# KiCad board BB3plus CM5 STM32H7 module.kicad_pcb (continued)
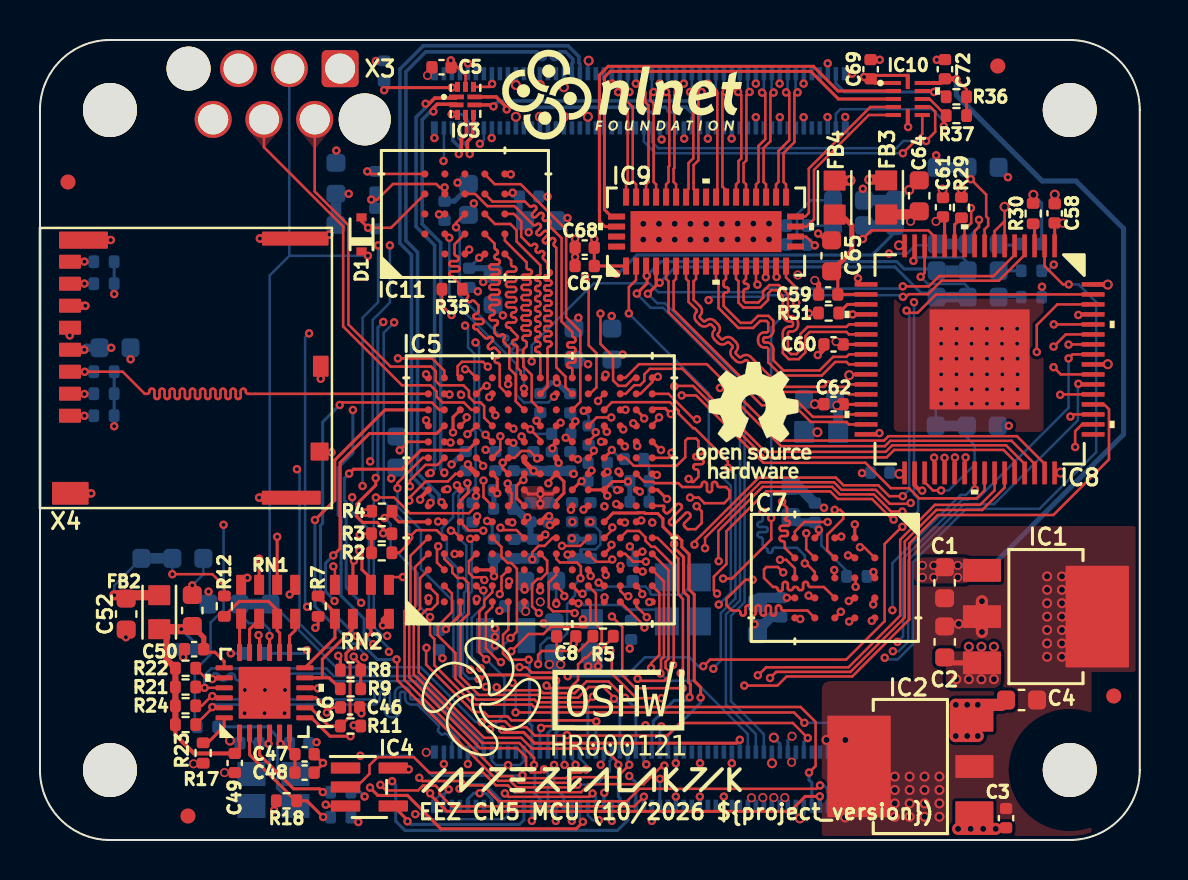
[diagram p0: board, top side]
## Routing (per net, layer and track width the routed paths; a pad name or vN(x,y) marks a point on that pad's centre or on a via; arc(x,y) is an arc through that point) (continued)
XSPIM_P2_IO3: length 15.1
  Top w0.127: IC11.D4 22.63,31.92 24.25,31.92 24.48,31.69 arc(24.55,31.67) 24.62,31.69 24.62,31.7 arc(24.7,31.73) 24.77,31.7 24.8,31.66 arc(24.83,31.59) 24.8,31.52 24.62,31.34 arc(24.59,31.26) 24.62,31.19 24.66,31.16 arc(24.73,31.13) 24.8,31.16 24.98,31.34 arc(25.06,31.37) 25.13,31.34 25.16,31.3 arc(25.19,31.23) 25.16,31.16 25.16,31.16 arc(25.13,31.08) 25.16,31.01 25.2,30.98 arc(25.27,30.95) 25.34,30.98 25.34,30.98 arc(25.41,31.01) 25.49,30.98 25.52,30.94 arc(25.55,30.87) 25.52,30.8 25.52,30.8 arc(25.49,30.72) 25.52,30.65 26.09,30.09 26.09,25.92 26.62,25.39 26.62,25.21 arc(26.64,25.16) 26.7,25.14 arc(26.75,25.11) 26.77,25.06 26.77,24.96 arc(26.75,24.9) 26.7,24.88 26.47,24.88 arc(26.4,24.85) 26.37,24.78 26.37,24.73 arc(26.4,24.66) 26.47,24.63 26.7,24.63 arc(26.75,24.61) 26.77,24.55 26.77,24.45 arc(26.75,24.4) 26.7,24.37 26.47,24.37 arc(26.4,24.34) 26.37,24.27 26.37,24.22 arc(26.4,24.15) 26.47,24.12 26.7,24.12 arc(26.75,24.1) 26.77,24.04 26.77,23.94 arc(26.75,23.89) 26.7,23.87 26.47,23.87 arc(26.4,23.84) 26.37,23.76 26.37,23.71 arc(26.4,23.64) 26.47,23.61 26.52,23.61 arc(26.59,23.58) 26.62,23.51 IC5.K15
XSPIM_P2_IO4: length 14.7
  Top w0.127: IC5.K13 27.02,21.91 27.02,25.43 26.31,26.14 26.31,30.52 24.04,32.79 22.75,32.79 22.25,33.29 IC11.D5
XSPIM_P2_IO5: length 15.1
  Top w0.127: IC11.E3 23.7,31.3 24.06,30.94 24.06,30.17 24.48,29.75 arc(24.55,29.72) 24.63,29.75 24.66,29.78 arc(24.73,29.81) 24.81,29.78 24.84,29.75 arc(24.87,29.68) 24.84,29.6 24.81,29.57 arc(24.78,29.5) 24.81,29.42 24.84,29.39 arc(24.91,29.36) 24.99,29.39 25.02,29.42 arc(25.09,29.45) 25.17,29.42 25.2,29.39 arc(25.23,29.32) 25.2,29.24 25.17,29.21 arc(25.14,29.14) 25.17,29.06 25.38,28.85 25.38,28.59 arc(25.41,28.52) 25.48,28.49 arc(25.55,28.46) 25.58,28.39 25.58,28.34 arc(25.55,28.27) 25.48,28.24 25.3,28.24 arc(25.25,28.22) 25.23,28.16 25.23,28.06 arc(25.25,28.01) 25.3,27.98 25.48,27.98 arc(25.55,27.95) 25.58,27.88 25.58,27.83 arc(25.55,27.76) 25.48,27.73 25.3,27.73 arc(25.25,27.71) 25.23,27.65 25.23,27.55 arc(25.25,27.5) 25.3,27.48 25.48,27.48 arc(25.55,27.45) 25.58,27.37 25.58,27.32 arc(25.55,27.25) 25.48,27.22 25.3,27.22 arc(25.25,27.2) 25.23,27.14 25.23,27.04 arc(25.25,26.99) 25.3,26.97 25.48,26.97 arc(25.55,26.94) 25.58,26.87 25.58,26.82 arc(25.55,26.74) 25.48,26.71 25.3,26.71 arc(25.25,26.69) 25.23,26.64 25.23,26.54 arc(25.25,26.48) 25.3,26.46 25.48,26.46 arc(25.55,26.43) 25.58,26.36 25.58,26.31 arc(25.55,26.24) 25.48,26.21 25.3,26.21 arc(25.25,26.18) 25.23,26.13 25.23,26.03 arc(25.25,25.97) 25.3,25.95 25.48,25.95 arc(25.55,25.92) 25.58,25.85 25.58,25.8 arc(25.55,25.73) 25.48,25.7 25.3,25.7 arc(25.25,25.68) 25.23,25.62 25.23,25.52 arc(25.25,25.47) 25.3,25.44 25.48,25.44 arc(25.55,25.41) 25.58,25.34 25.58,25.29 arc(25.55,25.22) 25.48,25.19 25.3,25.19 arc(25.25,25.17) 25.23,25.11 25.23,25.01 arc(25.25,24.96) 25.3,24.94 25.48,24.94 arc(25.55,24.91) 25.58,24.83 25.58,24.78 arc(25.55,24.71) 25.48,24.68 arc(25.41,24.65) 25.38,24.58 25.38,22.67 IC5.H14
XSPIM_P2_IO6: length 14.8
  Top w0.127: IC5.H13 24.59,21.94 24.59,23.26 24.17,23.68 24.17,24.52 24.34,24.69 24.34,24.86 arc(24.31,24.93) 24.24,24.96 arc(24.17,24.99) 24.14,25.06 24.14,25.11 arc(24.17,25.19) 24.24,25.22 24.44,25.22 arc(24.51,25.25) 24.54,25.32 24.54,25.37 arc(24.51,25.44) 24.44,25.47 24.19,25.47 arc(24.12,25.5) 24.09,25.57 24.09,25.62 arc(24.12,25.69) 24.19,25.72 24.44,25.72 arc(24.51,25.75) 24.54,25.83 24.54,25.88 arc(24.51,25.95) 24.44,25.98 24.19,25.98 arc(24.12,26.01) 24.09,26.08 24.09,26.13 arc(24.12,26.2) 24.19,26.23 24.44,26.23 arc(24.51,26.26) 24.54,26.33 24.54,26.38 arc(24.51,26.46) 24.44,26.49 24.19,26.49 arc(24.12,26.52) 24.09,26.59 24.09,26.64 arc(24.12,26.71) 24.19,26.74 24.44,26.74 arc(24.51,26.77) 24.54,26.84 24.54,26.89 arc(24.51,26.96) 24.44,26.99 24.19,26.99 arc(24.12,27.02) 24.09,27.1 24.09,27.15 arc(24.12,27.22) 24.19,27.25 24.44,27.25 arc(24.51,27.28) 24.54,27.35 24.54,27.4 arc(24.51,27.47) 24.44,27.5 24.19,27.5 arc(24.12,27.53) 24.09,27.6 24.09,27.65 arc(24.12,27.73) 24.19,27.76 24.44,27.76 arc(24.51,27.79) 24.54,27.86 24.54,27.91 arc(24.51,27.98) 24.44,28.01 24.19,28.01 arc(24.12,28.04) 24.09,28.11 24.09,28.16 arc(24.12,28.23) 24.19,28.26 24.49,28.26 arc(24.56,28.29) 24.59,28.37 24.59,28.42 arc(24.56,28.49) 24.49,28.52 24.44,28.52 arc(24.37,28.55) 24.34,28.62 24.34,28.88 23.25,29.97 IC11.E2
XSPIM_P2_IO7: length 11.4
  Top w0.127: IC5.G15 24.04,23.28 24.04,23.43 23.87,23.61 23.87,24.65 arc(23.84,24.72) 23.77,24.75 23.72,24.75 arc(23.65,24.78) 23.62,24.85 23.62,24.9 arc(23.65,24.98) 23.72,25.01 23.77,25.01 arc(23.84,25.04) 23.87,25.11 23.87,25.21 23.56,25.52 arc(23.53,25.59) 23.46,25.62 23.41,25.62 arc(23.34,25.65) 23.31,25.72 23.31,25.77 arc(23.34,25.84) 23.41,25.87 23.71,25.87 arc(23.79,25.9) 23.82,25.98 23.82,26.03 arc(23.79,26.1) 23.71,26.13 23.66,26.13 arc(23.59,26.16) 23.56,26.23 23.56,26.28 arc(23.59,26.35) 23.66,26.38 23.71,26.38 arc(23.79,26.41) 23.82,26.48 23.82,26.53 arc(23.79,26.61) 23.71,26.64 23.41,26.64 arc(23.34,26.67) 23.31,26.74 23.31,26.79 arc(23.34,26.86) 23.41,26.89 23.71,26.89 arc(23.79,26.92) 23.82,26.99 23.82,27.04 arc(23.79,27.11) 23.71,27.14 23.41,27.14 arc(23.34,27.17) 23.31,27.25 23.31,27.3 arc(23.34,27.37) 23.41,27.4 23.71,27.4 arc(23.79,27.43) 23.82,27.5 23.82,27.55 arc(23.79,27.62) 23.71,27.65 23.41,27.65 arc(23.34,27.68) 23.31,27.75 23.31,27.8 arc(23.34,27.88) 23.41,27.91 23.71,27.91 arc(23.79,27.94) 23.82,28.01 23.82,28.06 arc(23.79,28.13) 23.71,28.16 23.41,28.16 arc(23.34,28.19) 23.31,28.26 23.31,28.31 arc(23.34,28.38) 23.41,28.41 23.71,28.41 arc(23.79,28.44) 23.82,28.52 23.82,28.57 arc(23.79,28.64) 23.71,28.67 23.66,28.67 arc(23.59,28.7) 23.56,28.77 23.56,28.99 IC11.E1
~{DIB1_CSA}: length 16
  Top w0.152: v1(21.51,15.06) 21.56,15.11 IC5.D5
  In2signal.Cu w0.152: v1(21.52,8.52) 21.52,7.68 25.26,3.94 25.52,3.94 v1(25.71,3.75)
  Bottom w0.127: v1(21.52,8.52) 21.36,8.67 21.36,11.19 21.46,11.3 21.46,12.3 21.6,12.43 21.6,14.86
  Bottom w0.152: 21.6,14.86 21.6,14.98 21.52,15.06 v1(21.51,15.06) ; X1.31 26.2,2.16 25.71,2.65 v1(25.71,3.75)
~{DIB1_IRQ}: length 14
  Top w0.127: IC5.R2 30.97,12.35 30.97,9.25 30.56,8.84 v1(30.56,8.6) ; v1(30.28,5.73) 30.09,5.54 26.84,5.54 26.69,5.69 25.14,5.69 v1(25.06,5.6)
  Top w0.152: 30.67,8.6 v1(30.56,8.6) ; 30.27,5.74 v1(30.28,5.73)
  In2signal.Cu w0.127: v1(30.56,8.6) 30.31,8.35 30.31,5.76 v1(30.28,5.73)
  Bottom w0.152: v1(25.06,5.6) 25,5.55 25,4.58
~{DIB2_CSA}: length 17.2
  Top w0.127: v1(27.63,2.33) 27.46,2.16 23.42,2.16 v1(23.25,2.33) ; v1(22.32,9.03) 21.97,9.38 21.97,11.42 22.22,11.67 22.22,11.99 22.62,12.39 IC5.E2
  Top w0.152: v1(27.63,2.33) 27.63,2.33 27.56,2.33
  In2signal.Cu w0.152: v1(22.5,5.53) 23,5.03 23,2.58 v1(23.25,2.33)
  Bottom w0.127: X1.39 27.8,2.16 v1(27.63,2.33) ; v1(22.5,5.53) 23.23,6.25 23.23,8.12 v1(22.32,9.03)
  Bottom w0.152: v1(27.63,2.33) 27.63,2.33 27.63,2.25
~{DIB2_IRQ}: length 17.8
  Top w0.127: IC5.A4 18.76,13.65 18.76,11.65 18.46,11.35 18.46,8.14 22.01,4.59 23.87,4.59 24.31,4.15 24.31,3.62 24.55,3.38 25.04,3.38 25.09,3.43
  Top w0.152: v1(25.21,3.54) 25.1,3.43 25.09,3.43
  Bottom w0.152: 25.4,1.5 25.4,3.34 v1(25.21,3.54)
~{DIB3_CSA}: length 25.5
  Top w0.127: v1(17.88,17.59) 17.88,17.85 19.14,19.11 IC5.A10 ; v1(29.25,7.11) 29.22,7.14 29.22,7.14 28.43,7.93 27.33,7.93 26.75,7.35 25.16,7.35 25.02,7.48 22.99,7.48 22.84,7.63 v1(22.84,7.63)
  Bottom w0.127: v1(17.88,17.59) 17.88,16.68 19.05,15.51 19.05,13.55 20.68,11.92 20.68,8.18 21.59,7.27 22.53,7.27 22.85,7.59 22.85,7.62 22.84,7.63 v1(22.84,7.63)
  Bottom w0.152: 29.8,4.58 29.8,6.57 29.26,7.11 v1(29.25,7.11)
~{DIB3_IRQ}: length 16
  Top w0.127: IC5.A3 19.01,13.1 19.01,11.57 18.69,11.25 18.69,8.27 22.11,4.85 23.97,4.85 24.71,4.11 v1(24.71,3.75)
  Bottom w0.152: v1(24.71,3.75) 24.75,3.71 24.75,2.31 25,2.06 25,1.5
~{DIB4_CSA}: length 18.9
  Top w0.127: v1(25.27,15.27) 25.26,15.28 25.2,15.28 IC5.H5
  Top w0.152: v1(31.71,14.81) 31.71,14.62 32.18,14.15 32.18,12.41 32.43,12.17 32.43,8.63 32.43,8.63 32.43,8.31 32.43,8.3 32.43,7.89 32.53,7.79 32.53,7.17 v1(32.49,7.13) ; 25.02,15.17 25.02,15.16 ; 25.02,15.11 IC5.H5
  In2signal.Cu w0.127: v1(31.71,14.81) 31.7,14.79 30.19,14.79 29.83,15.15 28.5,15.15 28.12,15.53 26.14,15.53 25.88,15.27 v1(25.27,15.27)
  Bottom w0.152: v1(32.49,7.13) 32.34,6.99 31.72,6.99 30.67,5.94 30.67,5.51 30.6,5.44 30.6,4.58
~{DIB4_IRQ}: length 18.2
  Top w0.127: IC5.B4 20.22,14.06 20.62,13.66 20.62,13.37 20.89,13.1 21.17,13.1 21.42,12.85 21.42,11.3 21.03,10.91 21.03,8.17 21.95,7.25 24.89,7.25 25.03,7.11 26.91,7.11 27.45,7.65 28.18,7.65 28.71,7.12
  Top w0.152: 28.71,7.12 v1(28.71,7.06)
  Bottom w0.152: 29,4.58 29,6.76 v1(28.71,7.06)
~{DIB5_CSA}: length 15.9
  Top w0.127: 23.14,8.98 22.9,8.98 22.3,9.58 22.3,11.34 22.62,11.66 IC5.E1
  Top w0.152: 23.14,8.98 23.14,8.98 v1(23.05,8.89)
  In2signal.Cu w0.127: v1(23.05,8.89) 23.17,8.89 24.21,7.85 24.21,5.8 25.45,4.56 28.12,4.56 28.49,4.19 28.49,3.51 28.68,3.32 29.35,3.32 v1(29.47,3.2)
  Bottom w0.152: 29.8,1.5 29.8,2.87 v1(29.47,3.2)
~{DIB5_IRQ}: length 35.1
  Top w0.127: 21.82,16.71 21.45,16.34 18.5,16.34 17.71,17.13 v1(16.8,17.13)
  Top w0.152: 21.82,16.71 IC5.D7
  In2signal.Cu w0.127: v1(17.61,2.94) 17.09,3.46 17.09,9.24 17.04,9.29 17.04,9.94 17.3,10.21 v1(17.36,10.21)
  Bottom w0.127: v1(16.8,17.13) 16.69,17.02 16.69,10.66 17.1,10.25 17.32,10.25
  Bottom w0.152: 29.4,1.5 29.4,1 28.88,0.48 18.25,0.48 17.79,0.94 17.79,2.76 v1(17.61,2.94) ; v1(17.36,10.21) 17.32,10.25
~{ETH_LINK100}: length 8.4
  In2signal.Cu w0.127: v1(15.92,0.9) 16.33,1.31 18.75,1.31 v1(18.77,1.29) 18.77,1.3 18.77,1.32 18.75,1.34
  Bottom w0.127: X1.17 23.4,1.23 23.21,1.04 19.41,1.04 19.14,1.31 18.78,1.31 v1(18.77,1.29)
~{ETH_LINK_ACT}: length 9
  In2signal.Cu w0.152: v1(16.23,2.17) 16.62,1.79 20.38,1.79 20.98,2.39 v1(20.98,2.56)
  Bottom w0.152: R20.2 16.02,2.39 v1(16.23,2.17) ; v1(20.98,2.56) 21.19,2.77 22.26,2.77 23,2.03 23,1.5
~{ETH_RESET}: length 14.9
  Top w0.127: v1(21.84,12.05) 21.82,12.03 IC5.D1
  In2signal.Cu w0.127: v1(21.84,12.05) 21.42,12.47 17.85,12.47 17.25,13.07 11.2,13.07 10.55,12.42 v1(8.43,12.42)
  Bottom w0.127: v1(8.43,12.42) 8.42,12.41 8.42,11.76
~{LED_ACT}: length 7.6
  Top w0.152: v1(18.38,0.93) 18.38,0.99 IC4.4 17.68,1.71
  Bottom w0.152: v1(18.38,0.93) 18.53,0.78 23.98,0.78 24.2,1 24.2,1.5
~{LED_PWR}: length 46.7
  Top w0.152: v1(19.51,2.34) 19.51,2.27 20.35,1.43 37.52,1.43 38.27,2.18 v1(39,2.18) ; IC5.D11 21.4,19.49 19.05,19.49 18.1,18.54 15.68,18.54 v1(15.46,18.32)
  In2signal.Cu w0.152: v1(16.06,11.86) 16.3,11.86 16.3,11.86 17.37,11.86 18.09,11.14 18.37,11.14 19.72,9.78 19.72,2.55 v1(19.51,2.34)
  Bottom w0.152: v1(15.46,18.32) 15.22,18.08 15.22,16.98 15.31,16.89 15.31,12.61 v1(16.06,11.86) ; v1(39,2.18) X1.95
~{RESET_OUT}: length 106.9
  Top w0.127: R5.1 27.65,10.15 26.95,9.45 25.84,9.45 ; v1(22.08,5.89) 22.13,5.94 23.26,5.94 23.56,5.64 24.33,5.64 24.75,5.22 31.37,5.22 32,5.85 37.65,5.85 v1(38.4,5.1) ; IC5.J4 25.82,14.06 26,13.88 26.85,13.88 27.05,13.68 27.05,13.11 v1(27.03,13.09) ; 25.83,10.18 C8.1 25.84,9.45 ; 25.84,9.45 25.1,9.45 24.91,9.26 v1(24.91,8.79)
  In2signal.Cu w0.127: v1(24.91,8.79) 24.91,6.88 26.35,5.44 v1(26.35,5.24)
  In2signal.Cu w0.152: v1(28.82,28.31) 28.82,28.22 28.37,27.77 26.63,27.77 25.78,28.62 16.99,28.62 v1(16.4,29.21)
  Bottom w0.127: v1(22.08,5.89) 22.06,5.91 21.78,5.91 19.04,8.64 14.8,8.64 11.68,11.76 11.11,11.76 ; v1(24.91,8.79) 25.03,8.91 25.03,9.75 25.38,10.1 26.12,10.1 26.36,10.33 26.36,10.33 26.36,11.8 26.59,12.02 26.59,12.06 26.76,12.23 26.76,12.8 27.03,13.07 v1(27.03,13.09) ; 11.49,11.95 11.49,28.23 12.47,29.21 ; 12.47,29.21 v1(16.4,29.21) ; 12.47,29.21 X3.3
  Bottom w0.152: 42.76,30.71 42.76,30.39 41.62,29.25 29.85,29.25 28.91,28.31 v1(28.82,28.31) ; 38.2,4.58 38.2,4.9 v1(38.4,5.1)
~{SD_DETECT}: length 9.6
  Top w0.127: IC5.D10 22.16,18.77 v1(22.16,18.7) ; X4.SW1 14.54,19.42 v1(14.58,19.38)
  In2signal.Cu w0.127: v1(14.58,19.38) 15.29,20.09 19.66,20.09 20.3,19.45 20.93,19.45 21,19.38 21.45,19.38 22.13,18.7 v1(22.16,18.7)
~{SYSMCU_CS}: length 8.6
  Top w0.127: v1(24.44,9.02) 23.46,9.02 23.15,9.32 23.15,10.26 23.42,10.52 IC5.F1
  Bottom w0.152: v1(24.44,9.02) 24.48,8.97 24.48,5.83 24.6,5.71 24.6,4.58
~{SYSMCU_IRQ}: length 19.3
  Top w0.127: IC5.A2 19.88,12.25 19.88,11.83 19.58,11.53 19.34,11.53 18.94,11.13 18.94,8.38 22.21,5.11 24.07,5.11 24.61,4.57 28.22,4.57 28.92,3.87
  Top w0.152: 28.92,3.87 v1(28.92,3.75)
  Bottom w0.152: 29,1.5 29,2.1 28.92,2.17 28.92,3.75 v1(28.92,3.75)
~{TFT_IRQ}: length 16.1
  Top w0.127: v1(29.89,8.06) 29.99,7.96 31.22,7.96 31.43,8.17 31.43,8.46 31.28,8.6 31.28,8.92 31.43,9.06 31.43,13.5 IC5.R4
  In2signal.Cu w0.152: v1(28.22,2.36) 28.41,2.55 29.38,2.55 29.89,3.05 v1(29.89,8.06)
  Bottom w0.152: 28.2,1.5 28.2,2.14 28.22,2.16 v1(28.22,2.36)
~{XSPI_M_P1_CS}: length 16.9
  Top w0.152: IC7.A3 41.68,13.17 v1(41.68,13.4) ; IC5.R13 30.69,21.58 31.27,21.58 v1(31.55,21.3)
  In2signal.Cu w0.127: v1(31.55,21.3) 31.64,21.21 32.46,21.21 33.01,21.76 33.73,21.76 33.88,21.61 36.34,21.61 37.75,20.2 37.75,19.82 41.15,16.42 41.15,15.17 41.68,14.64 v1(41.68,13.4)
~{XSPIM_P2_CS1}: length 13.5
  Top w0.127: IC11.C2 20.73,29.78 20.73,29.3 arc(20.76,29.23) 20.83,29.2 arc(20.9,29.17) 20.93,29.1 20.93,29.05 arc(20.9,28.97) 20.83,28.94 20.58,28.94 arc(20.51,28.91) 20.48,28.84 20.48,28.79 arc(20.51,28.72) 20.58,28.69 20.88,28.69 arc(20.95,28.66) 20.98,28.59 20.98,28.54 arc(20.95,28.47) 20.88,28.44 20.58,28.44 arc(20.51,28.41) 20.48,28.33 20.48,28.28 arc(20.51,28.21) 20.58,28.18 20.63,28.18 arc(20.7,28.15) 20.73,28.08 20.73,28.06 21.13,27.66 R35.1 21.39,27.27 arc(21.42,27.2) 21.39,27.13 21.36,27.09 arc(21.33,27.02) 21.36,26.95 21.39,26.91 arc(21.46,26.88) 21.54,26.91 21.57,26.95 arc(21.64,26.98) 21.72,26.95 21.93,26.74 21.93,26.41 arc(21.9,26.33) 21.83,26.3 21.78,26.3 arc(21.71,26.27) 21.68,26.2 21.68,26.15 arc(21.71,26.08) 21.78,26.05 22.08,26.05 arc(22.15,26.02) 22.18,25.95 22.18,25.9 arc(22.15,25.83) 22.08,25.8 21.78,25.8 arc(21.71,25.77) 21.68,25.69 21.68,25.64 arc(21.71,25.57) 21.78,25.54 21.83,25.54 arc(21.9,25.51) 21.93,25.44 22.27,25.1 arc(22.34,25.07) 22.42,25.1 22.45,25.13 arc(22.52,25.16) 22.59,25.13 22.63,25.1 arc(22.66,25.03) 22.63,24.95 22.42,24.74 arc(22.39,24.67) 22.42,24.6 22.45,24.56 arc(22.52,24.53) 22.59,24.56 22.63,24.6 arc(22.7,24.63) 22.77,24.6 22.99,24.38 22.99,24.21 arc(22.96,24.14) 22.89,24.11 22.84,24.11 arc(22.77,24.08) 22.74,24 22.74,23.95 arc(22.77,23.88) 22.84,23.85 22.89,23.85 arc(22.96,23.82) 22.99,23.75 22.99,22.67 23.35,22.31 IC5.F14 23.41,22.31
Net-(IC5C-VREFM): length 1.2
  Top w0.127: v1(26.38,14.27) 26.38,14.3 26.39,14.31 IC5.K4
  Bottom w0.508: 27.52,14.08 26.6,14.08
Net-(IC5C-VSSA): length 3.1
  Top w0.127: v1(24.62,14.03) 24.62,14.39 24.93,14.7 25.23,14.7 25.64,15.11 IC5.J5
  Bottom w0.127: 23.72,14.08 C32.2
  Bottom w0.203: NT1.2 23.72,14.08
  Bottom w0.508: C29.2 23.74,14.08
Net-(IC6-CRS_DV/MODE2): length 6.3
  Top w0.152: R9.1 14.47,8.11 IC6.11 13.99,8.11 ; RN2.6 15.65,10.57 14.12,9.04 14.12,8.11
Net-(IC6-LED1/NINT/NPME/REGOFF): length 5
  Top w0.152: v1(14.15,2.4) 13.98,2.56 12.68,2.56 10.98,4.26 IC6.3
  In2signal.Cu w0.152: v1(14.15,2.4) 14.13,2.38
Net-(IC6-LED2/NINT/NPME/NINTSEL): length 6.4
  Top w0.152: v1(14.16,1.15) 13.35,1.96 R18.1 12.79,1.96 10.48,4.27 IC6.2
  Bottom w0.152: R25.1 14.17,1.14 v1(14.16,1.15)
Net-(IC6-MDC): length 2.1
  Top w0.152: IC6.13 12.48,10.2 12.76,10.48 12.76,11.37
Net-(IC6-MDIO): length 4.6
  Top w0.152: R7.1 13.92,12.2 14.75,11.37 RN2.5 14.75,10.11 IC6.12
Net-(IC6-NINT/REFCLKO): length 5.3
  Top w0.152: R12.1 9.22,11.19 9.96,11.93 11.43,11.93 11.86,11.5 11.86,10.47 11.99,10.34 11.99,9.39 IC6.14
Net-(IC6-NRST): length 3.4
  Top w0.127: 11.48,10.07 v1(11.48,10.2)
  Top w0.152: IC6.15 11.48,10.07
  Bottom w0.127: 9.97,11.76 9.97,11.32 10.45,10.84 11.16,10.84 11.48,10.52 v1(11.48,10.2)
Net-(IC6-RBIAS): length 1.8
  Top w0.152: R17.1 8.39,4.86 9.21,5.68 IC6.24
Net-(IC6-RXD0/MODE0): length 8.7
  Top w0.152: IC6.8 13.53,6.61 14.05,6.09 14.05,6.09 14.44,5.7 R11.1 15.51,6.19 15.51,8.8 15.3,9 15.3,9.33 15.53,9.56 15.73,9.56 16.55,10.37 16.55,11.37
Net-(IC6-RXD1/MODE1): length 11.4
  Top w0.152: 17.45,11.37 17.12,11.04 17.12,10.76 v1(17.15,10.73) ; IC6.7 13.58,6.11 14.5,5.19 v1(15.53,5.19) 15.46,5.12 ; v1(14.92,9.21) 15.02,9.11 R8.2
  In2signal.Cu w0.152: v1(17.15,10.73) 16.91,10.73 15.99,9.81 15.52,9.81 v1(14.92,9.21) 15.14,8.99 15.14,5.61 15.53,5.22 v1(15.53,5.19)
Net-(IC6-TXD0): length 2.2
  Top w0.152: 10.96,11.37 10.96,11.02 10.48,10.54 IC6.17
Net-(IC6-TXD1): length 2
  Top w0.152: IC6.18 9.98,11.29 10.06,11.37
Net-(IC6-VDDCR): length 2.1
  Top w0.152: IC6.6 12.48,4.56 C47.1 C48.2
Net-(IC6-XTAL1/CLKIN): length 8.6
  Top w0.152: IC6.5 11.98,4.86 v1(12.03,4.81)
  Bottom w0.152: 11.87,4.65 11.87,2.6 Y2.3 ; 11.87,4.65 12.11,4.89 12.68,4.89 12.68,5.03 ; 11.87,4.65 11.87,5.16 11.37,5.66 JP3.2
Net-(IC6-XTAL2): length 3.7
  Top w0.152: IC6.4 11.48,4.86 v1(11.43,4.81)
  Bottom w0.152: 10.68,4.89 10.76,4.81 v1(11.43,4.81) 11.47,4.77 11.47,3.37 11.4,3.3 Y2.1
Net-(IC8-BSEL/SCL): length 4.1
  Top w0.127: v1(43.68,28.96) 43.74,29.02 IC8.15
  Bottom w0.127: 46.39,28.46 46.39,28.87 46.13,29.13 43.85,29.13 v1(43.68,28.96)
Net-(IC8-CTL1/A1/DK1): length 4.4
  Top w0.127: v1(46.55,33.04) 47.32,32.27 47.32,31.18 47.42,31.08 47.42,30.71 47.24,30.53 IC8.8
  Bottom w0.127: 46.38,33.64 46.38,33.21 v1(46.55,33.04)
Net-(IC8-DKEN): length 5.8
  Top w0.127: IC8.35 44.24,17.9 44.66,17.48 v1(45.07,17.48)
  Bottom w0.127: v1(45.07,17.48) 45.45,17.48 46.74,18.77 46.74,19.74 46.42,20.06 46.42,20.07 46.35,20.14 JP9.COM
Net-(IC8-DSEL/SDA): length 5.2
  Top w0.127: v1(44.04,28.16) 44.24,28.36 IC8.14
  Top w0.152: IC8.14 44.24,29.25
  Bottom w0.127: 46.39,27.18 46.39,27.66 46.24,27.81 44.39,27.81 v1(44.04,28.16) 44.04,28.09
Net-(IC8-EDGE/HTPLG): length 2.9
  Top w0.127: v1(46.96,31.01) 46.96,30.66 46.74,30.44 IC8.9
  Bottom w0.127: 46.38,29.74 46.38,30.08 46.96,30.66 v1(46.96,31.01)
Net-(IC8-ISEL/~{RST}): length 5
  Top w0.127: IC8.13 44.74,30.16 44.42,30.48 41.58,30.48 v1(41.15,30.05)
  Bottom w0.127: 41.21,30.71 41.15,30.65 v1(41.15,30.05)
Net-(IC8-MSEN/PO1): length 1.5
  Top w0.152: R29.2 45.74,30.77 IC8.11
Net-(IC8-TFADJ): length 1.6
  Top w0.152: IC8.19 40.38,26.78 R31.1 39.96,26.34
Net-(IC8-VREF): length 1.1
  Top w0.152: 49.82,30.8 49.74,30.72 IC8.3
Net-(IC8-~{PD}): length 8.4
  Top w0.127: v1(46.56,31.6) 46.57,31.58 46.57,30.85 46.24,30.52 IC8.10
  In2signal.Cu w0.127: v1(41.15,32.56) 41.85,31.86 46.29,31.86 v1(46.56,31.6)
  Bottom w0.127: JP8.COM 41.21,32.5 v1(41.15,32.56)
Net-(IC9-HPD_A): length 1.5
  Top w0.127: v1(38.75,29.73) 38.31,30.17 IC9.19
  Bottom w0.127: v1(38.75,29.73) 38.7,29.78 R33.1
Net-(IC10-A1): length 23.8
  Top w0.152: IC9.40 28.26,30.67 27.98,30.95 27.98,31.41 27.98,31.42 27.98,38.24 28.41,38.68 38.68,38.68 39.91,37.45 42.78,37.45
Net-(IC10-A2): length 22.6
  Top w0.152: IC9.39 28.58,31.17 28.23,31.52 28.23,38.14 28.52,38.43 38.55,38.43 39.93,37.05 42.78,37.05
Net-(IC10-A3): length 8.5
  Top w0.127: IC9.21 38.27,31.17 38.45,31.35 38.45,33.57 41.53,36.65 IC10.4
Net-(IC10-A4): length 8.8
  Top w0.127: IC9.20 38.34,30.67 38.71,31.04 38.71,33.51 41.45,36.25 42.78,36.25
Net-(IC11-~{ECS}): length 3.4
  Top w0.127: v1(16.37,33.43) 16.5,33.3 IC11.A5
  Bottom w0.127: v1(16.37,33.43) R38.1
Net-(JP1-PadCOM): length 10.6
  In2signal.Cu w0.152: v1(15.44,32.31) 15.8,32.67 17.37,32.67 18.18,33.48 18.18,38.01 17.24,38.95 v1(16.8,38.95)
  Bottom w0.152: v1(15.44,32.31) JP1.COM ; R1.1 16.81,38.96 v1(16.8,38.95)
Net-(JP4-PadCOM): length 4.2
  Top w0.127: R12.2 9.22,12.69 8.62,13.29 v1(6.62,13.29)
  Bottom w0.127: JP4.COM v1(6.62,13.29) ; 6.13,14.1 6.11,14.12
Net-(JP5-PadNO): length 1.3
  Bottom w0.127: R26.1 39.65,30.72 39.66,30.71
Net-(JP6-PadNO): length 1.1
  Bottom w0.152: R27.1 47.94,28.46
Net-(JP7-PadNO): length 1.1
  Bottom w0.152: 49.07,27.18 47.94,27.18
Net-(JP11-PadNO): length 1.1
  Bottom w0.152: 47.93,29.74 49.07,29.74

## Copper pours and planes (outline as drawn; the poured copper is in the pictures)
+1V8 on POWER.Cu: 20.2,28.5 22.4,28.5 22.4,29.8 20.7,29.8 20.7,33.3 23.3,33.3 23.3,31.5 24.9,31.5 24.9,25.8 34.8,25.8 34.8,15.9 39.3,15.9 39.3,15.1 34.8,15.1 34.8,12.4 37.7,12.4 37.7,11.4 34.8,11.4 34.8,9.8 40.2,9.8 40.2,7.2 47.1,7.2 47.1,4.8 38.3,4.8 38.3,3.6 37.1,3.6 37.1,8.5 32.5,8.5 32.5,18.3 30.4,18.3 30.4,16.7 28.2,16.7 28.2,19.1 27.5,19.1 27.5,20 28,20 28,21.3 26.9,21.3 26.9,20.5 25.9,20.5 25.9,19.4 24.6,19.4 24.6,22.1 25.9,22.1 25.9,23.7 20.2,23.7
+3V3 on Top: 48.07,9.43 48.07,7.6 45.3,7.6 45.3,9.43
+3V3 on In2signal.Cu: 48.4,8.63 48.4,0.2 45.53,0.2 45.53,8.63
+3V3 on POWER.Cu: -0.3,40.22 55.5,40.22 55.5,-0.28 -0.3,-0.38
+5V on Top: 43.69,12.83 43.69,14.13 46.6,14.13 46.6,12.83
+5V on Bottom: 35.3,1.1 35.3,2.4 37.54,2.4 37.54,1.09
+5V on In2signal.Cu: 35.2,2.6 35.2,1.2 40.1,1.2 45.2,6.3 45.2,12.8 46.2,12.8 46.2,14.1 43.5,14.1 43.5,7 39.1,2.6
/DVID converter, NOR Flash/DVDD on POWER.Cu: 41.5,31.4 51.5,31.4 51.5,29.7 43,29.7 43,18.8 43.4,18.8 43.4,17.9 41.5,17.9
/STM32H7 MCU/VDD_SDC on POWER.Cu: 26,20.4 26.7,20.4 26.7,18.2 26,18.2 26,17.3 27.3,17.3 27.3,16.3 24.1,16.3 24.1,14.3 24.7,14.3 24.7,12 23.8,12 23.8,9.3 21.5,9.3 21.5,12.4 20.7,12.4 20.7,17.5 23.4,17.5 23.4,20.1 24.1,20.1 24.1,19 26,19
/STM32H7 MCU/VDDSMPS on POWER.Cu: 27.9,11.5 27.9,10.2 24.7,10.2 24.7,12.3 26.1,12.3 26.1,11.5
GND on Top: 24,17.7 26,17.7 26,16.5 24,16.5
GND on Top: 42.7,27.3 50.2,27.3 50.2,20.4 42.7,20.4
GND on Top: 55.2,8.4 52.6,8.4 52.6,-0.5 39.1,-0.5 39.1,7.94 43.68,7.94 43.68,15.7 55.2,15.7
GND on GND1.Cu, GND2.Cu: -0.2,40.2 55.4,40.2 55.4,-0.3 -0.2,-0.4
/DVID converter, NOR Flash/TVDD on POWER.Cu: 39.4,25.9 38.1,25.9 38.1,26.6 41.3,26.6 41.3,19.73 39.4,19.73
/STM32H7 MCU/VLXSMPS on Bottom: 23.8,9.3 23.8,12 25,12 25,9.3

Small or netless copper shapes (teardrops, artwork), in the pictures only: 2 on Top, 1 on Bottom

## Text on the board
B.Silkscreen: 101 | 100 | 200 | 1 | https://github.com/eez-open/eez-bb3plus-cm5-mcu
F.Silkscreen: EEZ CM5 MCU (10/2026 ${project_version}) | HR000121
